# Altium PCB Temp_meter_16CH.PcbDoc (part 2 of 4) (continued)
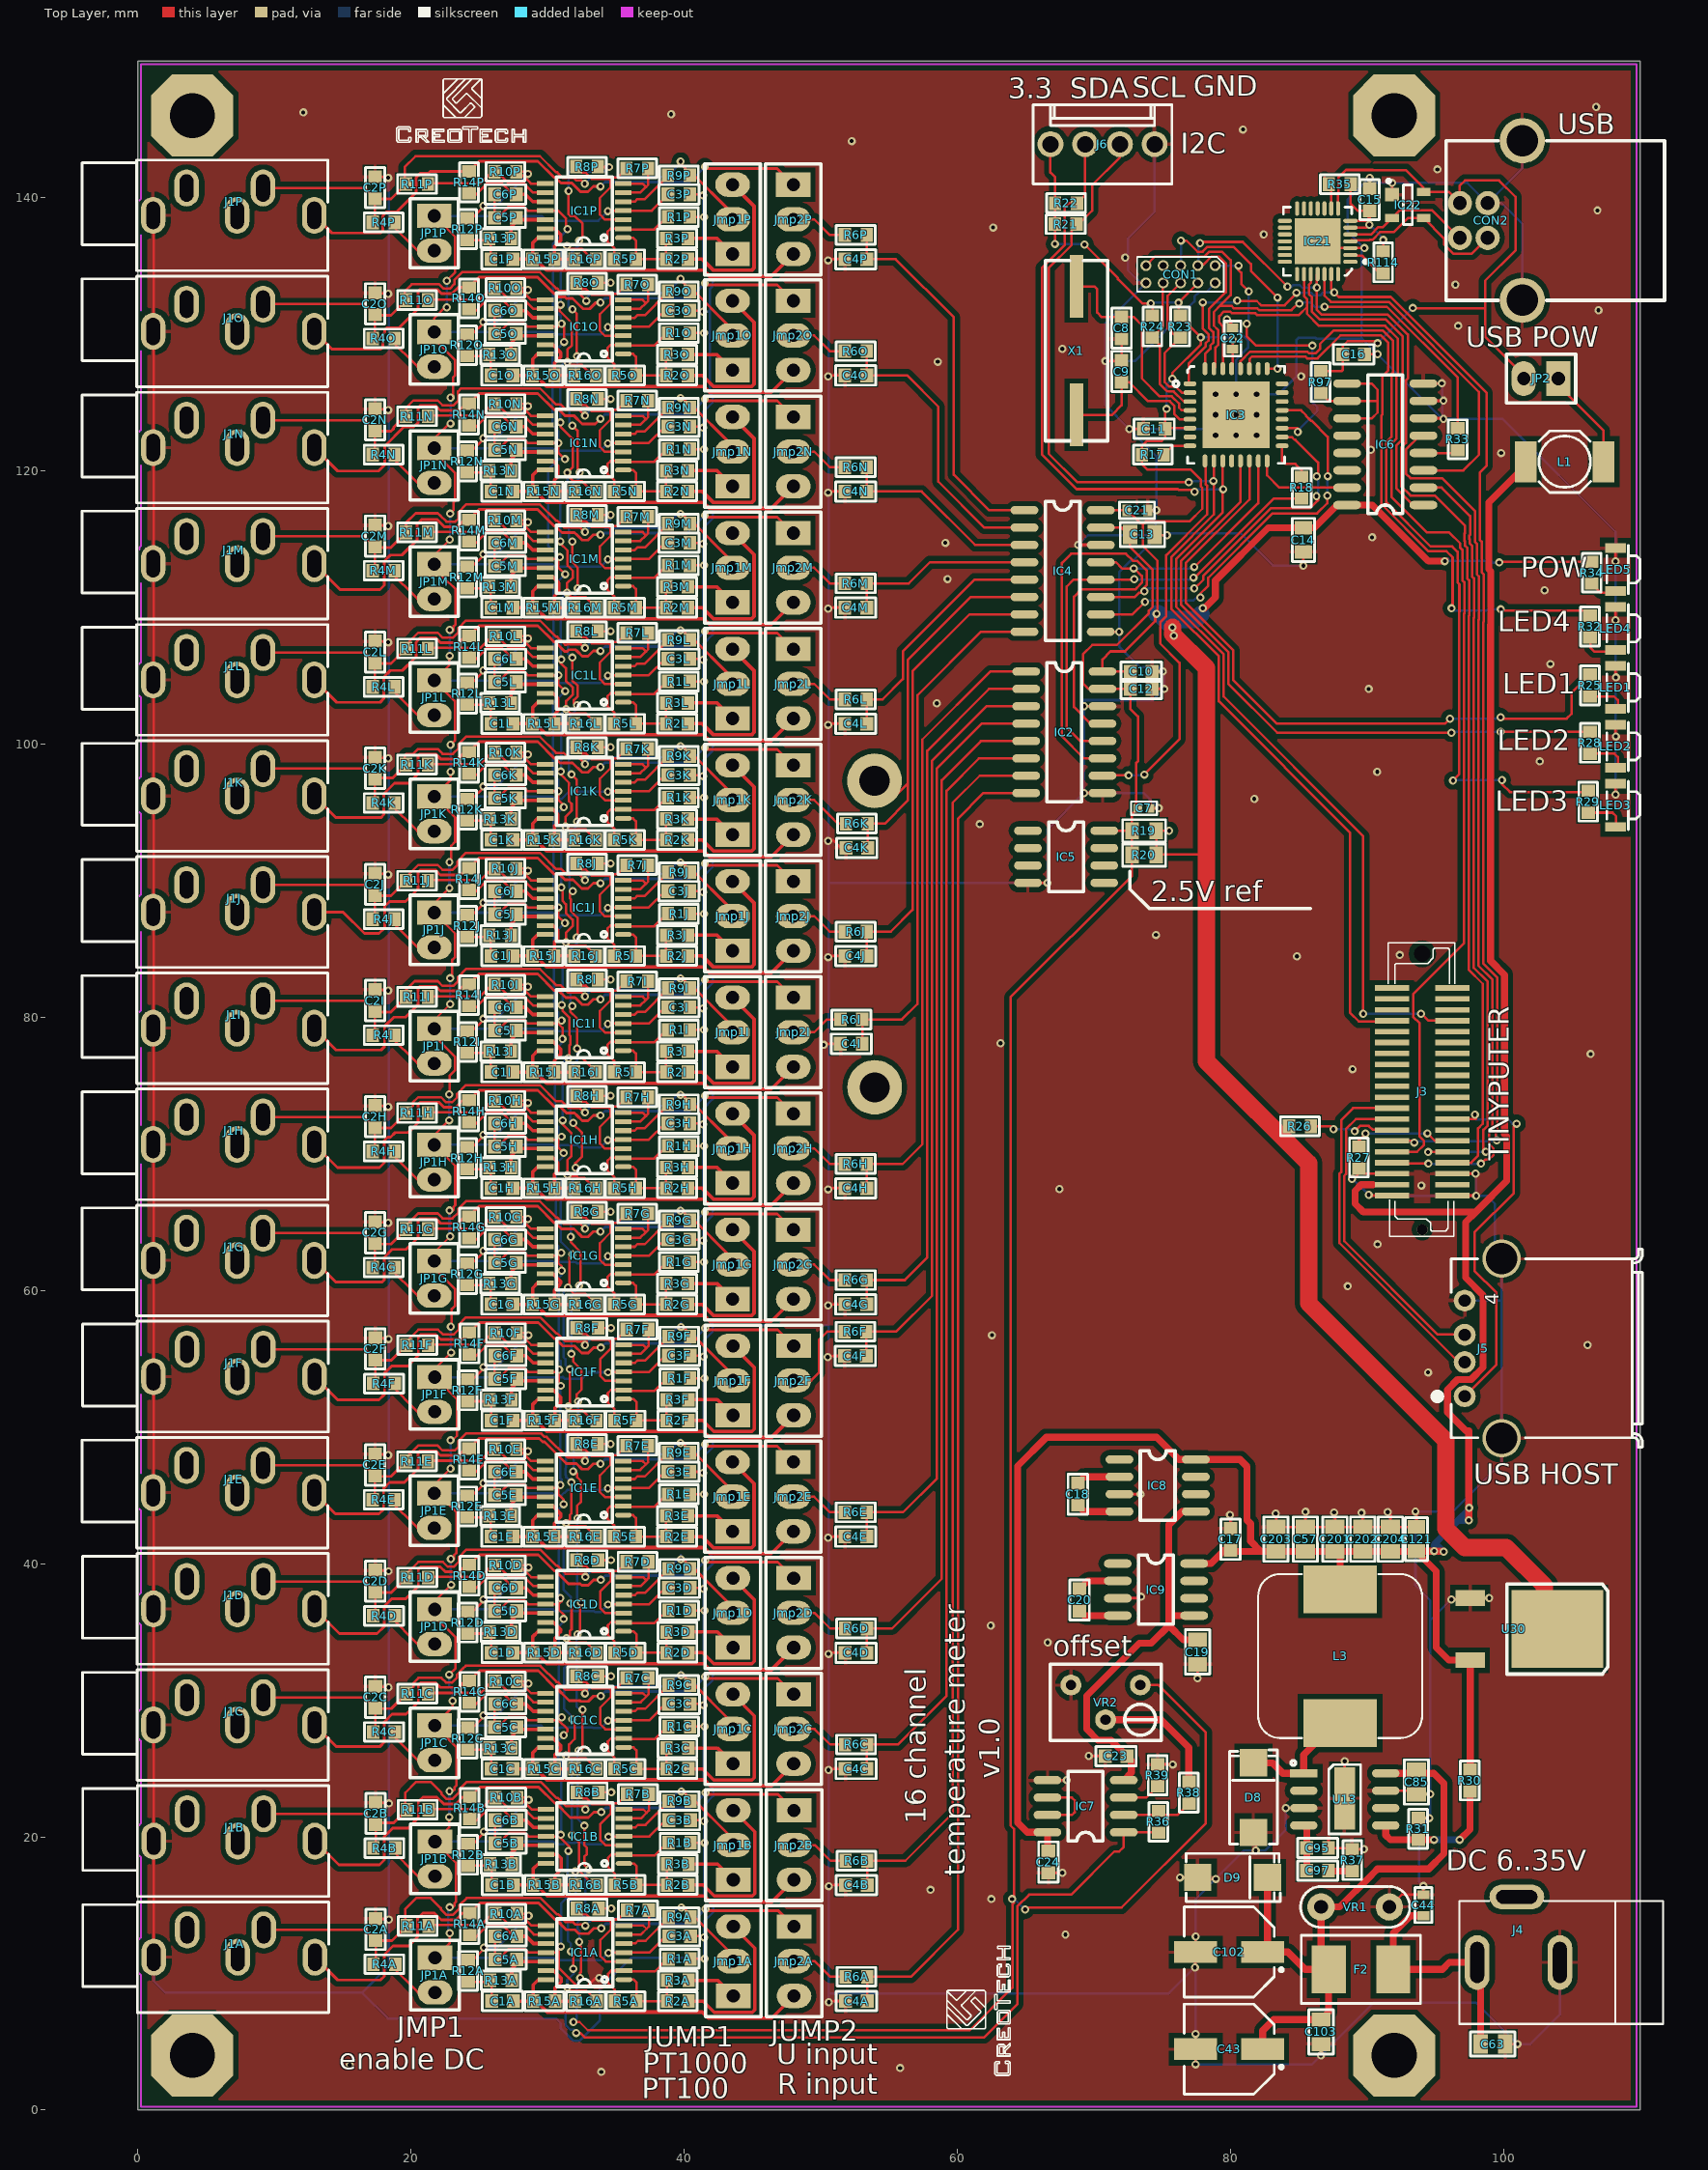
[diagram p0: Top Layer view]
## Nets (pads, with @x,y where several pads share a name; then routed paths per layer and width w, separated by ;. In a path a pad name is that pad's centre, name@x,y a point inside that pad or via, vN(x,y) a via of type N, cw(c..) or ccw(c..) an arc to the next point about the centre after c; other vN are vias at no path point) (continued)
  Top Layer w0.178: J1P.1@1.13,138.692 1.18,138.642 1.18,121.692 1.18,79.192 1.18,62.192 1.18,45.192 J1B.1@1.18,19.692 1.18,13.001 ; J1A.1@1.18,11.192 1.18,13.001 ; 1.18,14.22 1.18,13.001 ; C2E.2@17.374,47.985 v1@18.299,47.985 ; C2G.2@17.374,64.985 v1@18.299,64.985 ; C2H.2@17.374,73.485 v1@18.299,73.485 ; C2I.2@17.374,81.985 v1@18.299,81.985 ; C2J.2@17.374,90.485 v1@18.299,90.485 ; C2K.2@17.374,98.985 v1@18.299,98.985 ; C2L.2@17.374,107.485 v1@18.299,107.485 ; C2M.2@17.374,115.985 v1@18.299,115.985 ; C2N.2@17.374,124.485 v1@18.299,124.485 ; C2O.2@17.374,132.985 v1@18.299,132.985 ; C2P.2@17.374,141.485 v1@18.299,141.485 ; C2C.2@17.399,30.985 v1@18.324,30.985 ; C2D.2@17.399,39.485 v1@18.324,39.485 ; C2F.2@17.399,56.485 v1@18.324,56.485 ; C2A.2@17.424,13.985 v1@18.349,13.985 ; C2B.2@17.424,22.485 v1@18.349,22.485 ; C6E.2@26.126,46.724 26.118,46.716 C5E.1@26.118,45.026 26.365,45.026 27.132,45.793 28.303,45.793 28.562,45.534 IC1E.11@29.839,45.534 30.79,45.534 30.79,45.085 31.177,44.698 v1(31.177,44.352) ; C6G.2@26.126,63.724 26.118,63.716 C5G.1@26.118,62.026 26.365,62.026 27.132,62.793 28.303,62.793 28.562,62.534 IC1G.11@29.839,62.534 30.79,62.534 30.79,62.01 v1@31.052,61.748 ; C6H.2@26.126,72.224 26.118,72.216 C5H.1@26.118,70.526 26.365,70.526 27.132,71.293 28.303,71.293 28.562,71.034 IC1H.11@29.839,71.034 30.79,71.034 30.79,70.485 v1@31.199,70.076 ; C6I.2@26.126,80.724 26.118,80.716 C5I.1@26.118,79.026 26.365,79.026 27.132,79.793 28.303,79.793 28.562,79.534 IC1I.11@29.839,79.534 30.79,79.534 ; C6J.2@26.126,89.224 26.118,89.216 C5J.1@26.118,87.526 26.365,87.526 27.132,88.293 28.303,88.293 28.562,88.034 IC1J.11@29.839,88.034 v1(30.79,88.034) 30.79,87.385 v1(31.275,86.9) ; C6K.2@26.126,97.724 26.118,97.716 C5K.1@26.118,96.026 26.365,96.026 27.132,96.793 28.303,96.793 28.562,96.534 IC1K.11@29.839,96.534 v1(30.79,96.534) 30.79,95.91 v1@31.202,95.498 ; C6L.2@26.126,106.224 26.118,106.216 C5L.1@26.118,104.526 26.365,104.526 27.132,105.293 28.303,105.293 28.562,105.034 IC1L.11@29.839,105.034 v1(30.79,105.034) 30.79,104.385 v1(31.3,103.875) ; C6M.2@26.126,114.724 26.118,114.716 C5M.1@26.118,113.026 26.365,113.026 27.132,113.793 28.303,113.793 28.562,113.534 IC1M.11@29.839,113.534 30.79,113.534 30.79,112.935 v1(31.3,112.425) ; C6N.2@26.126,123.224 26.118,123.216 C5N.1@26.118,121.526 26.365,121.526 27.132,122.293 28.303,122.293 28.562,122.034 IC1N.11@29.839,122.034 v1(30.79,122.034) 30.79,121.335 v1(31.275,120.85) ; C6O.2@26.126,131.724 26.118,131.716 C5O.1@26.118,130.026 26.365,130.026 27.132,130.793 28.303,130.793 28.562,130.534 IC1O.11@29.839,130.534 30.79,130.534 ; C6P.2@26.126,140.224 26.118,140.216 C5P.1@26.118,138.526 26.365,138.526 27.132,139.293 28.303,139.293 28.562,139.034 IC1P.11@29.839,139.034 30.79,139.034 31.375,138.449 v1@31.375,137.775 ; C6C.2@26.151,29.724 26.143,29.716 C5C.1@26.143,28.026 26.39,28.026 27.157,28.793 28.328,28.793 28.587,28.534 IC1C.11@29.864,28.534 30.815,28.534 ; C6D.2@26.151,38.224 26.143,38.216 C5D.1@26.143,36.526 26.39,36.526 27.157,37.293 28.328,37.293 28.587,37.034 IC1D.11@29.864,37.034 30.815,37.034 ; C6F.2@26.151,55.224 26.143,55.216 C5F.1@26.143,53.526 26.39,53.526 27.157,54.293 28.328,54.293 28.587,54.034 IC1F.11@29.864,54.034 30.815,54.034 v1@30.815,53.175 ; C6A.2@26.176,12.724 26.168,12.716 C5A.1@26.168,11.026 26.415,11.026 27.182,11.793 28.353,11.793 28.612,11.534 IC1A.11@29.889,11.534 30.84,11.534 ; C6B.2@26.176,21.224 26.168,21.216 C5B.1@26.168,19.526 26.415,19.526 27.182,20.293 28.353,20.293 28.612,20.034 IC1B.11@29.889,20.034 v1@30.84,20.034 ; 30.799,79.526 31.102,79.223 v1(31.102,78.404) ; 30.825,28.525 31.475,27.874 31.475,27.751 v1@31.202,27.478 ; v1@30.84,11.84 30.84,11.534 ; v1@30.875,20 v1@31.625,19.249 ; v1@31.033,37.252 30.815,37.034 ; v1(31.225,129.425) v1@31.225,130.558 ; v1@31.227,36.223 30.815,36.635 30.815,37.034 ; v1@33.522,9.675 32.956,9.109 32.118,9.109 30.84,10.386 30.84,11.534 ; R1E.1@40.426,45.073 v1(41.472,45.073) ; C3E.2@40.426,46.724 v1@41.404,46.724 ; R1G.1@40.426,62.073 v1(41.472,62.073) ; C3G.2@40.426,63.724 v1@41.404,63.724 ; R1H.1@40.426,70.573 v1(41.472,70.573) ; C3H.2@40.426,72.224 v1@41.404,72.224 ; R1I.1@40.426,79.073 v1(41.472,79.073) ; C3I.2@40.426,80.724 v1@41.404,80.724 ; R1J.1@40.426,87.573 v1(41.472,87.573) ; C3J.2@40.426,89.224 v1@41.404,89.224 ; R1K.1@40.426,96.073 v1(41.472,96.073) ; C3K.2@40.426,97.724 v1@41.404,97.724 ; R1L.1@40.426,104.573 v1(41.472,104.573) ; C3L.2@40.426,106.224 v1@41.404,106.224 ; R1M.1@40.426,113.073 v1(41.472,113.073) ; C3M.2@40.426,114.724 v1@41.404,114.724 ; R1N.1@40.426,121.573 v1(41.472,121.573) ; C3N.2@40.426,123.224 v1@41.404,123.224 ; R1O.1@40.426,130.073 v1(41.472,130.073) ; C3O.2@40.426,131.724 v1@41.404,131.724 ; R1P.1@40.426,138.573 v1(41.472,138.573) ; C3P.2@40.426,140.224 v1@41.404,140.224 ; R1C.1@40.451,28.073 v1(41.497,28.073) ; C3C.2@40.451,29.724 v1@41.429,29.724 ; R1D.1@40.451,36.573 v1(41.497,36.573) ; C3D.2@40.451,38.224 v1@41.429,38.224 ; R1F.1@40.451,53.573 v1(41.497,53.573) ; C3F.2@40.451,55.224 v1@41.429,55.224 ; R1A.1@40.476,11.073 v1(41.522,11.073) ; C3A.2@40.476,12.724 v1@41.454,12.724 ; R1B.1@40.476,19.573 v1(41.522,19.573) ; C3B.2@40.476,21.224 v1@41.454,21.224 ; v1(50.223,77.973) 50.303,78.053 C4I.1@51.447,78.053 ; v1@50.603,55.203 C4F.1@51.747,55.203 ; v1@50.628,41.978 C4E.1@51.772,41.978 ; v1@50.628,58.978 C4G.1@51.772,58.978 ; v1@50.628,67.478 C4H.1@51.772,67.478 ; v1@50.628,84.478 C4J.1@51.772,84.478 ; v1@50.628,92.978 50.9,92.978 51.488,92.39 C4K.1@51.854,92.39 ; v1@50.628,101.478 C4L.1@51.772,101.478 ; v1@50.628,109.978 C4M.1@51.772,109.978 ; v1@50.628,118.478 C4N.1@51.772,118.478 ; v1@50.628,126.978 C4O.1@51.772,126.978 ; v1@50.628,135.478 C4P.1@51.772,135.478 ; v1@50.653,24.978 C4C.1@51.797,24.978 ; v1@50.653,33.478 C4D.1@51.797,33.478 ; v1@50.678,7.978 C4A.1@51.822,7.978 ; v1@50.678,16.478 C4B.1@51.822,16.478 ; v1@58.5,127.975 v1(58.575,127.975) ; IC5.4@65.176,89.836 v1(66.611,89.836) ; IC7.5@66.608,24.148 68.023,24.148 v1(68.025,24.15) ; C24.2@66.675,17.361 67.686,17.361 v1(67.7,17.375) ; v1(68.859,114.566) IC4.14@70.512,114.566 ; v1(69.28,96.405) IC2.9@70.639,96.405 ; v1(69.303,102.755) IC2.14@70.639,102.755 ; v1(69.625,25.925) 69.642,25.908 C23.2@70.828,25.908 ; IC4.9@70.512,108.216 v1@71.834,108.216 ; v1(70.85,128.025) 71.994,128.025 C9.1@72.036,128.066 C8.1@72.036,129.641 ; IC9.3@71.755,37.465 73.34,37.465 v1(73.45,37.575) ; IC8.3@71.882,45.085 73.415,45.085 v1(73.425,45.075) ; v1@72.613,123.063 C11.2@73.622,123.063 ; C21.2@73.954,117.106 v1(74.579,117.106) ; C7.2@74.135,95.297 v1@74.746,95.297 ; C12.2@74.275,104.025 v1(75.15,104.025) ; C10.2@74.275,105.295 v1@75.044,105.295 ; C13.2@74.46,115.328 74.553,115.328 74.575,115.35 74.825,115.35 74.9,115.275 v1(75.35,115.275) ; R39.2@74.676,25.311 75.764,25.311 v1(75.775,25.3) ; v1(76.305,17.03) D9.A@77.614,17.03 77.718,16.926 v1(78.929,16.926) ; v1(77.404,10.451) 77.404,11.513 C102.2@77.46,11.569 v1(77.46,12.71) ; v1(77.454,3.35) 77.46,3.356 C43.2@77.46,4.457 v1@77.46,5.569 ; C19.2@77.597,32.628 77.597,31.603 v1(77.6,31.6) ; v1(79.754,131.081) 80.164,130.672 C22.2@80.164,130.454 ; v1(79.975,43.575) 80.01,43.54 C17.2@80.01,42.583 ; D8.A@81.688,20.322 81.854,20.156 v1(81.854,19.001) ; v1(83.325,43.675) 83.339,43.661 C203.2@83.339,42.695 83.35,42.684 87.657,42.684 91.721,42.684 C121.1@93.626,42.684 93.626,43.749 v1(93.55,43.825) ; v1(84.054,22.101) 84.063,22.11 U13.3@85.371,22.11 ; v1(85.344,113.056) C14.1@85.344,114.046 ; C57.2@85.498,42.695 v1(85.498,43.798) ; IC21.29@86.387,136.791 86.887,136.291 IC21.3@88.787,136.291 v1(89.809,136.291) ; v1@86.641,4.012 C103.2@86.641,4.827 ; 87.187,19.712 C95.1@87.187,19.189 R37.1@88.838,19.189 ; v1(87.6,43.75) 87.657,43.693 C201.2@87.657,42.695 ; U13.0@88.368,20.893 U13.0@88.368,22.821 ; v1(88.368,25.543) U13.0@88.368,22.821 ; v1@88.85,76.2 v1(88.95,76.2) ; v1(88.904,68.153) 88.904,68.146 88.95,68.1 89.408,68.558 R27.2@89.408,68.923 89.79,68.541 J3.3@91.848,68.541 ; R37.1@88.927,19.1 v1(89.775,19.1) ; U13.0@88.927,23.38 U13.0@88.368,22.821 ; v1(89.6,43.725) 89.689,43.636 C202.2@89.689,42.695 ; C16.2@89.827,128.524 v1(90.776,128.524) ; v1@90.184,66.941 J3.1@91.848,66.941 ; C15.2@90.197,140.639 v1(90.197,141.447) ; U13.7@91.371,23.38 93.361,23.38 C85.2@93.626,23.115 94.619,23.115 v1(94.63,23.126) ; v1(91.525,43.775) 91.721,43.579 C204.2@91.721,42.695 ; VR1.2@91.641,14.871 92.543,15.773 C44.1@94.134,15.773 94.134,16.397 v1(94.13,16.401) ; IC22.1@91.841,140.208 v1(91.841,141.066) ; R31.2@93.753,21.386 v1@94.544,21.386 ; IC6.6@94.134,123.837 v1@95.563,123.837 ; IC6.7@94.134,125.107 v1@95.582,125.107 ; IC6.8@94.134,126.377 95.452,126.377 v1(95.475,126.4) ; v1(96.18,37.377) 97.46,37.375 U30.1@97.563,37.477 v1(98.955,37.477) ; J3.40@96.248,66.941 v1@97.984,66.941 ; J3.38@96.248,68.541 97.941,68.541 v1(97.95,68.55) ; C63.2@100.114,4.838 v1(101.012,4.838) ; v1(108.2,96.3) 108.208,96.308 LED3.K@108.208,97.079 ; v1@108.208,100.567 LED2.K@108.208,101.397 ; v1@108.208,104.892 LED1.K@108.208,105.715 ; v1(108.208,109.058) LED4.K@108.208,110.033 ; v1@108.208,113.383 LED5.K@108.208,114.351
  Bottom Layer w0.178: J1A.1@1.18,11.192 1.18,9.445 2.025,8.6 16.425,8.6 ; 18.34,140.642 v1(18.34,141.443) ; 18.39,140.592 18.39,124.443 v1(18.39,22.443) v1(18.39,13.943) 18.39,10.565 16.425,8.6 ; 30.742,97.413 30.41,97.745 30.41,102.985 v1(31.3,103.875) ; v1@30.79,62.753 30.79,63.263 30.619,63.434 30.619,69.244 v1@31.302,69.927 ; v1@30.79,71.253 30.79,71.967 30.542,72.215 30.542,77.592 v1@31.228,78.278 ; v1@30.79,79.754 30.79,80.358 30.483,80.665 30.483,86.108 v1(31.275,86.9) ; v1(30.79,88.034) 30.79,88.933 30.458,89.265 30.458,94.636 v1(31.202,95.38) ; v1(30.79,96.534) 30.79,97.383 ; v1(30.79,105.034) 30.79,105.608 30.458,105.94 30.458,111.583 v1(31.3,112.425) ; v1(30.79,122.034) 30.79,122.891 30.385,123.296 30.385,128.585 v1(31.225,129.425) ; 30.81,42.714 30.81,43.985 v1@31.177,44.352 ; v1@30.815,28.749 30.815,35.365 v1@31.314,35.864 ; v1@30.815,37.477 30.815,42.708 ; v1(30.9,113.675) 30.05,114.525 30.05,120.075 30.825,120.85 v1(31.275,120.85) ; v1@30.958,130.756 30.958,131.349 30.392,131.915 30.392,136.592 v1(31.475,137.675) ; v1@30.969,54.321 30.969,54.826 30.828,54.968 30.828,60.928 31.052,61.152 ; v1(30.975,53.015) 30.954,52.995 30.954,46.243 31.027,46.171 v1@31.027,45.752 ; v1@31.025,11.976 31.025,15.153 31.625,15.753 31.625,17.099 31.483,17.24 v1@31.483,18.883 ; v1@31.025,20.151 31.025,25.502 30.806,25.721 30.806,27.055 v1(31.202,27.451) ; v1@34.075,9.675 34.362,9.387 ; v1(41.404,131.648) 41.861,131.648 ; v1(41.404,140.148) 41.404,134.651 42.089,133.966 42.089,133.496 41.884,133.291 41.884,130.175 ; 41.782,130.073 41.884,130.175 ; 50.538,57.466 42.114,57.466 ; v1(50.598,7.898) 50.598,8.55 ; v1@50.598,135.348 50.598,84.398 50.598,41.898 50.598,33.398 v1(50.598,16.398) 50.598,8.55 ; 50.661,89.836 v1(66.611,89.836) 66.611,93.736 v1(69.28,96.405) ; v1(68.859,114.566) 69.568,115.275 74.5,115.275 ; J6.1@74.449,143.903 74.449,138.949 72.5,137 72.5,134.675 73.432,133.743 CON1.10@73.814,133.743 70.85,130.78 v1(70.85,128.025) ; v1@74.5,117.027 74.5,115.275 ; v1(74.579,117.106) 74.579,121.071 v1(72.6,123.05) ; v1(74.754,95.305) 73.653,96.405 v1(69.28,96.405) ; v1@75.054,103.929 74.33,103.205 69.28,103.205 v1(69.28,96.405) ; v1(75.054,105.305) 74.73,105.629 73.354,105.629 71.85,107.133 v1(71.85,108.2) 71.85,112.576 72.69,113.417 72.892,113.417 74.75,115.275 ; v1(75.15,104.025) v1@75.15,105.209 ; v1(75.35,115.275) 74.75,115.275 ; v1@75.475,115.4 80.775,115.4 83.119,113.056 v1(85.344,113.056) ; v1@77.329,3.225 v1(77.454,3.35) 85.979,3.35 v1(86.629,4) 90.504,7.875 97.975,7.875 v1(101.012,4.838) 101.963,4.838 104.121,6.996 J4.1@104.121,10.807 ; v1(77.404,10.451) 75.504,8.55 50.598,8.55 ; v1(77.454,5.575) v1@77.454,10.401 ; v1(77.46,12.71) 77.46,15.457 v1(78.929,16.926) 81.004,19.001 v1(81.854,19.001) 82.551,19.001 84.054,20.504 v1(84.054,22.101) v1@84.228,22.275 ; CON1.2@78.894,133.743 78.227,133.076 77.701,133.076 77.375,132.75 77.375,132.4 73,128.025 v1(70.85,128.025) ; v2(78.918,122.591) 78.459,123.05 v1(72.6,123.05) ; v1(79.754,131.081) 81.3,129.535 81.3,129.331 81.3,129 80.418,128.118 v2(80.418,125.591) ; v2(81.918,125.591) 83.516,125.591 84.85,126.925 84.85,129.575 84.992,129.717 86.235,129.717 86.276,129.675 89.625,129.675 ; v1(88.904,68.153) 88.972,68.153 v1(90.125,67) 90.2,66.925 v1(98,66.925) ; v1@94.149,16.401 v1(94.13,16.401) 93.825,16.705 93.825,20.646 v1(94.555,21.376) 94.63,21.451 v1(94.63,23.126) ; v1@94.606,23.15 v1(94.63,23.126) ; v1(95.475,126.4) 95.5,126.375 95.5,123.8 v1(90.776,128.524) 89.625,129.675 ; v1(95.6,123.8) 99.925,123.8 108.2,115.525 v1(108.2,113.375) v1(108.2,96.3) ; v1(96.18,37.377) 94.63,35.827 ; J5.4@97.155,59.253 99.787,59.253 99.865,59.175 ; v1(97.95,68.55) 98,68.5 v1(98,66.925) ; v1@98.807,37.625 v1(98.955,37.477) ; CON2.0@101.373,132.473 101.373,138.077 99.865,139.585 CON2.4@98.833,139.585 ; CON2.0@101.373,144.157 101.373,142.125 CON2.4@98.833,139.585 ; 16.425,8.6 18.325,6.7 30.625,6.7 30.979,6.346 30.979,5.971 31.867,5.084 32.359,5.084 33.827,6.552 33.827,8.852 34.362,9.387 ; 34.362,9.387 36.116,11.141 41.454,11.141 v1(41.454,12.648) 41.454,13.81 42.139,14.496 42.139,14.966 41.454,15.651 v1(41.454,21.148) 41.454,22.31 42.139,22.996 42.139,23.466 41.429,24.176 v1(41.429,29.648) 41.429,30.81 42.114,31.496 42.114,31.966 41.429,32.651 41.429,39.31 42.114,39.996 42.114,40.466 41.429,41.151 41.429,46.648 41.429,47.835 42.089,48.496 42.089,48.966 41.429,49.626 v1(41.429,55.148) 41.429,56.31 42.114,56.996 42.114,57.466 ; 41.884,130.175 41.884,125.671 42.089,125.466 42.089,124.996 41.404,124.31 v1(41.404,123.148) 41.404,117.651 42.089,116.966 42.089,116.496 41.404,115.81 v1(41.404,114.648) 41.404,109.151 42.089,108.466 42.089,107.996 41.404,107.31 v1(41.404,106.148) 41.404,100.651 42.089,99.966 42.089,99.496 41.404,98.81 v1(41.404,97.648) 41.404,92.151 42.089,91.466 42.089,90.996 41.404,90.31 v1(41.404,89.148) 41.404,83.651 42.089,82.966 42.089,82.496 41.404,81.81 41.404,75.151 42.089,74.466 42.089,73.996 41.404,73.31 v1(41.404,72.148) 41.404,66.651 42.089,65.966 42.089,65.496 41.404,64.81 v1(41.404,63.648) 41.404,58.176 42.114,57.466 ; v1(70.85,128.025) 70.85,124.8 v1(72.6,123.05) ; 74.5,115.275 74.75,115.275 ; 89.625,129.675 89.625,136.107 v1(89.809,136.291) 88.6,137.5 88.6,139.85 v1(90.197,141.447) 90.578,141.066 v1(91.841,141.066) 97.352,141.066 CON2.4@98.833,139.585 ; v1(94.63,23.126) 94.63,35.827 ; 94.63,35.827 94.63,37.32 93.55,38.4 v1(93.55,43.825) 96.299,43.825 99.865,47.391 J5.5@99.865,49.183 99.865,59.175 ; v1(98,66.925) 98.775,66.925 99.363,66.337 99.363,62.825 J5.5@99.865,62.323 99.865,59.175
  other v1: 33.95,2.8 55.825,3.075 15.525,3.3 33.8,9.675 30.976,11.976 67.925,12.85 62.5,15.45 58.05,16.125 31.527,18.976 30.977,20.151 56.75,22.65 50.573,24.898 31.049,28.749 18.365,30.943 50.573,33.398 66.625,34.225 62.45,35.475 31.177,35.952 30.952,37.477 41.429,38.148 18.365,39.443 50.548,41.898 30.952,45.752 41.404,46.648 18.34,47.943 94.475,54 30.852,54.203 50.523,55.123 106.15,56 18.365,56.443 62.55,56.725 50.548,58.898 88.6,60.3 31.052,61.453 31.002,62.753 90.775,63.375 18.34,64.943 50.548,67.398 67.475,67.425 93.975,67.675 31.177,70.053 31.027,71.253 18.34,73.443 106.375,77.3 63.175,78.1 31.027,79.754 41.404,80.648 18.34,81.943 50.548,84.398 84.875,84.45 92.4,84.55 74.55,86.025 18.34,90.443 50.548,92.898 61.65,94.125 81.75,95.975 90.75,97.95 102.65,98.725 18.34,98.943 108.225,100.55 50.548,101.398 58.5,102.975 90.125,104.025 108.225,104.875 103.425,105.85 18.34,107.443 50.548,109.898 103,111.25 59.3,112.075 59.125,114.725 90.375,115.125 18.34,115.943 50.548,118.398 99.825,121.3 90.275,121.525 18.34,124.443 95.6,125.125 50.548,126.898 85.175,126.9 67.7,128.925 96.675,130.6 31.027,130.756 106.95,131.75 18.34,132.943 96.475,133.625 50.548,135.398 72.3,135.6 82.45,137.3 62.625,137.8 106.875,139.05 95.15,142.05 52.275,144.125 80.925,144.975 39.05,146.1 12.125,146.225 106.775,146.625
  other v2: 80.418,122.591 81.918,122.591 78.918,124.091 80.418,124.091 81.918,124.091 78.918,125.591
I2C_SCL1: IC3.10 J3.17 J6.2 R21.1 | length 88.3
  Top Layer w0.178: J6.2@71.909,143.903 71.909,142.934 69.875,140.9 69.875,139.025 68.365,137.515 68.365,136.51 66.7,134.846 66.7,121.25 68.8,119.15 v1(76.95,119.15) ; IC3.10@78.793,120.716 78.793,116.801 75.667,113.675 75.667,109.896 79.152,106.41 79.152,103.123 88.775,93.5 88.775,80.308 89.4,79.683 91.79,79.683 J3.17@91.848,79.741
  Bottom Layer w0.178: v1(76.95,119.15) 77.05,119.25 v1(78.75,119.25)
I2C_SDA1: IC3.11 J3.24 J6.3 R22.1 | length 93.2
  Top Layer w0.178: R22.1@68.75,139.564 R22.1@68.772,139.585 ; J6.3@69.369,143.903 69.369,140.182 R22.1@68.772,139.585 ; v1(77.379,118.456) 77.251,118.583 76.225,118.583 76.158,118.65 68.75,118.65 66.2,121.2 66.2,134.849 67.888,136.537 67.888,139.3 68.174,139.585 R22.1@68.772,139.585 ; IC3.11@79.443,120.716 79.443,116.948 76.022,113.528 76.022,110.043 79.507,106.558 79.507,103.468 89.725,93.25 v1(89.725,80.25) ; v1(93.955,80.254) 93.929,80.254 93.925,80.25 94,80.25 94.509,79.741 J3.24@96.248,79.741
  Bottom Layer w0.178: v1(77.379,118.456) 77.548,118.625 79.45,118.625 v1(79.475,118.65) ; v1(89.725,80.25) 93.951,80.25 v1(93.955,80.254)
I2S_RX_BCK: J3.14
I2S_RX_DATA: J3.16
I2S_RX_WS: J3.15
I2S_TX_BCK: J3.27
I2S_TX_DATA: J3.25
I2S_TX_WS: J3.26
IO1: J3.18
IO2: J3.23
IO3: J3.19
IO4: J3.22
IO5: J3.20
IO6: J3.21
LED1: IC3.14 R25.1 | length 49.3
  Top Layer w0.178: IC3.14@81.393,120.716 81.393,117.893 76.733,113.233 76.733,110.338 80.219,106.852 80.219,104.659 83.403,101.475 95.7,101.475 v1(96.075,101.85) ; v1(99.78,101.955) 99.885,101.85 104.625,101.85 104.975,102.2 104.975,103.729 R25.1@106.326,105.079
  Bottom Layer w0.178: v1(96.075,101.85) 99.1,101.85 99.105,101.855 99.455,101.855 99.555,101.955 v1(99.78,101.955)
LED2: IC3.13 R28.1 | length 47.5
  Top Layer w0.178: IC3.13@80.743,120.716 80.743,117.746 76.378,113.381 76.378,110.19 79.863,106.705 79.863,104.384 83.422,100.825 v1(96.175,100.825) ; v1(99.78,100.88) 99.788,100.888 R28.1@106.326,100.888
  Bottom Layer w0.178: v1(96.175,100.825) 96.225,100.875 99.1,100.875 99.105,100.88 v1(99.78,100.88)
LED3: IC3.28 R29.1 | length 59.2
  Top Layer w0.178: IC3.28@80.743,127.466 80.743,128.021 81.428,128.706 85.643,128.706 85.765,128.583 86.235,128.583 86.567,128.915 86.567,129.27 87.551,130.254 91.177,130.254 91.919,129.511 91.919,127.191 91.784,127.056 91.784,122.479 91.429,122.123 91.429,117.686 94.661,114.453 96.237,114.453 96.627,114.063 96.627,111.823 96.767,111.683 96.767,109.69 96.742,109.665 96.742,98.827 96.742,97.767 v1(96.3,97.325) ; v1@99.88,97.067 100.472,96.475 106.103,96.475 R29.1@106.199,96.57
  Bottom Layer w0.178: v1(96.3,97.325) 96.35,97.325 96.38,97.355 v1(99.88,97.355)
LED4: IC3.27 R32.1 | length 44.9
  Top Layer w0.178: IC3.27@81.393,127.466 81.393,128.168 81.575,128.35 85.496,128.35 85.618,128.228 86.382,128.228 88.052,129.898 91.03,129.898 91.542,129.386 91.542,127.316 91.131,126.905 91.131,124.103 91.073,124.045 91.073,117.538 94.514,114.097 95.831,114.097 96.271,113.657 96.271,109.996 v1(96.2,109.925) ; v1(99.805,109.855) 99.885,109.775 105.948,109.775 R32.1@106.326,109.397
  Bottom Layer w0.178: v1(96.2,109.925) 96.35,109.775 98.775,109.775 98.855,109.855 v1(99.805,109.855)
MISO: IC3.17 R18.2 | length 3.3
  Top Layer w0.178: IC3.17@83.793,121.816 83.793,120.732 84.025,120.5 84.75,120.5 85.217,120.033 R18.2@85.217,119.557
MOSI: IC2.11 IC3.18 IC4.11 | length 50.8
  Top Layer w0.178: IC4.11@70.512,110.756 73.011,110.756 73.329,111.075 73.7,111.075 73.704,111.079 v1(73.704,111.18) ; IC2.11@70.639,98.945 69.28,98.945 67.675,100.55 67.675,113.25 68.35,113.925 72.353,113.925 72.861,113.417 73.16,113.417 73.897,112.679 73.897,111.643 v1@73.515,111.26 ; v1(77.354,111.38) 77.37,111.38 77.375,111.375 78.025,112.025 78.025,112.314 82.951,117.24 85.827,117.24 86.425,117.838 86.425,118.125 86.419,118.131 v1(86.304,118.131) ; IC3.18@83.793,122.466 84.493,122.466 84.694,122.264 84.761,122.264 86.425,120.6 86.425,119.575 86.419,119.581 v1(86.329,119.581)
  Bottom Layer w0.178: v1(73.704,111.18) 73.704,111.079 74,111.375 77.375,111.375 77.37,111.38 v1(77.354,111.38) ; v1(86.304,118.131) 86.419,118.131 86.425,118.125 86.425,119.575 86.419,119.581 v1(86.329,119.581)
NetC1A_1: C1A.1 R12A.2 R13A.1 | length 3.2
  Top Layer w0.178: R12A.2@24.182,9.384 25.669,9.384 R13A.1@25.787,9.502 25.914,9.375 C1A.1@25.914,7.978
NetC1A_2: C1A.2 IC1A.14 Jmp2A.3 R15A.2 | length 24
  Top Layer w0.254: C1A.2@27.514,7.978 R15A.2@28.962,7.978 ; IC1A.14@29.889,9.553 29.342,9.553 28.962,9.173 R15A.2@28.962,7.978 ; Jmp2A.3@48.05,8.359 46.424,6.734 41.775,6.734 41.335,7.173 29.985,7.173 29.181,7.978 R15A.2@28.962,7.978
NetC1B_1: C1B.1 R12B.2 R13B.1 | length 3.2
  Top Layer w0.178: R12B.2@24.182,17.884 25.669,17.884 R13B.1@25.787,18.002 25.914,17.875 C1B.1@25.914,16.478
NetC1B_2: C1B.2 IC1B.14 Jmp2B.3 R15B.2 | length 24
  Top Layer w0.254: C1B.2@27.514,16.478 R15B.2@28.962,16.478 ; IC1B.14@29.889,18.053 29.342,18.053 28.962,17.673 R15B.2@28.962,16.478 ; Jmp2B.3@48.05,16.859 46.424,15.234 41.925,15.234 41.485,15.673 29.985,15.673 29.181,16.478 R15B.2@28.962,16.478
NetC1C_1: C1C.1 R12C.2 R13C.1 | length 3.2
  Top Layer w0.178: R12C.2@24.157,26.384 25.644,26.384 R13C.1@25.762,26.502 25.889,26.375 C1C.1@25.889,24.978
NetC1C_2: C1C.2 IC1C.14 Jmp2C.3 R15C.2 | length 24
  Top Layer w0.254: C1C.2@27.489,24.978 R15C.2@28.937,24.978 ; IC1C.14@29.864,26.553 29.317,26.553 28.937,26.173 R15C.2@28.937,24.978 ; Jmp2C.3@48.025,25.359 46.399,23.734 41.925,23.734 41.485,24.173 29.96,24.173 29.156,24.978 R15C.2@28.937,24.978
NetC1D_1: C1D.1 R12D.2 R13D.1 | length 3.2
  Top Layer w0.178: R12D.2@24.157,34.884 25.644,34.884 R13D.1@25.762,35.002 25.889,34.875 C1D.1@25.889,33.478
NetC1D_2: C1D.2 IC1D.14 Jmp2D.3 R15D.2 | length 24
  Top Layer w0.254: C1D.2@27.489,33.478 R15D.2@28.937,33.478 ; IC1D.14@29.864,35.053 29.317,35.053 28.937,34.673 R15D.2@28.937,33.478 ; Jmp2D.3@48.025,33.859 46.399,32.234 41.9,32.234 41.46,32.673 29.96,32.673 29.156,33.478 R15D.2@28.937,33.478
NetC1E_1: C1E.1 R12E.2 R13E.1 | length 3.2
  Top Layer w0.178: R12E.2@24.132,43.384 25.619,43.384 R13E.1@25.737,43.502 25.864,43.375 C1E.1@25.864,41.978
NetC1E_2: C1E.2 IC1E.14 Jmp2E.3 R15E.2 | length 24
  Top Layer w0.254: C1E.2@27.464,41.978 R15E.2@28.912,41.978 ; IC1E.14@29.839,43.553 29.292,43.553 28.912,43.173 R15E.2@28.912,41.978 ; Jmp2E.3@48,42.359 46.374,40.734 41.9,40.734 41.46,41.173 29.935,41.173 29.131,41.978 R15E.2@28.912,41.978
NetC1F_1: C1F.1 R12F.2 R13F.1 | length 3.2
  Top Layer w0.178: R12F.2@24.157,51.884 25.644,51.884 R13F.1@25.762,52.002 25.889,51.875 C1F.1@25.889,50.478
NetC1F_2: C1F.2 IC1F.14 Jmp2F.3 R15F.2 | length 24
  Top Layer w0.254: C1F.2@27.489,50.478 R15F.2@28.937,50.478 ; IC1F.14@29.864,52.053 29.317,52.053 28.937,51.673 R15F.2@28.937,50.478 ; Jmp2F.3@48.025,50.859 46.399,49.234 41.875,49.234 41.435,49.673 29.96,49.673 29.156,50.478 R15F.2@28.937,50.478
NetC1G_1: C1G.1 R12G.2 R13G.1 | length 3.2
  Top Layer w0.178: R12G.2@24.132,60.384 25.619,60.384 R13G.1@25.737,60.502 25.864,60.375 C1G.1@25.864,58.978
NetC1G_2: C1G.2 IC1G.14 Jmp2G.3 R15G.2 | length 24
  Top Layer w0.254: C1G.2@27.464,58.978 R15G.2@28.912,58.978 ; IC1G.14@29.839,60.553 29.292,60.553 28.912,60.173 R15G.2@28.912,58.978 ; Jmp2G.3@48,59.359 46.374,57.734 41.9,57.734 41.46,58.173 29.935,58.173 29.131,58.978 R15G.2@28.912,58.978
NetC1H_1: C1H.1 R12H.2 R13H.1 | length 3.2
  Top Layer w0.178: R12H.2@24.132,68.884 25.619,68.884 R13H.1@25.737,69.002 25.864,68.875 C1H.1@25.864,67.478
NetC1H_2: C1H.2 IC1H.14 Jmp2H.3 R15H.2 | length 24
  Top Layer w0.254: C1H.2@27.464,67.478 R15H.2@28.912,67.478 ; IC1H.14@29.839,69.053 29.292,69.053 28.912,68.673 R15H.2@28.912,67.478 ; Jmp2H.3@48,67.859 46.374,66.234 41.875,66.234 41.435,66.673 29.935,66.673 29.131,67.478 R15H.2@28.912,67.478
NetC1I_1: C1I.1 R12I.2 R13I.1 | length 3.2
  Top Layer w0.178: R12I.2@24.132,77.384 25.619,77.384 R13I.1@25.737,77.502 25.864,77.375 C1I.1@25.864,75.978
NetC1I_2: C1I.2 IC1I.14 Jmp2I.3 R15I.2 | length 24
  Top Layer w0.254: C1I.2@27.464,75.978 R15I.2@28.912,75.978 ; IC1I.14@29.839,77.553 29.292,77.553 28.912,77.173 R15I.2@28.912,75.978 ; Jmp2I.3@48,76.359 46.374,74.734 41.875,74.734 41.435,75.173 29.935,75.173 29.131,75.978 R15I.2@28.912,75.978
NetC1J_1: C1J.1 R12J.2 R13J.1 | length 3.2
  Top Layer w0.178: R12J.2@24.132,85.884 25.619,85.884 R13J.1@25.737,86.002 25.864,85.875 C1J.1@25.864,84.478
NetC1J_2: C1J.2 IC1J.14 Jmp2J.3 R15J.2 | length 24
  Top Layer w0.254: C1J.2@27.464,84.478 R15J.2@28.912,84.478 ; IC1J.14@29.839,86.053 29.292,86.053 28.912,85.673 R15J.2@28.912,84.478 ; Jmp2J.3@48,84.859 46.374,83.234 41.875,83.234 41.435,83.673 29.935,83.673 29.131,84.478 R15J.2@28.912,84.478
NetC1K_1: C1K.1 R12K.2 R13K.1 | length 3.2
  Top Layer w0.178: R12K.2@24.132,94.384 25.619,94.384 R13K.1@25.737,94.502 25.864,94.375 C1K.1@25.864,92.978
NetC1K_2: C1K.2 IC1K.14 Jmp2K.3 R15K.2 | length 24
  Top Layer w0.254: C1K.2@27.464,92.978 R15K.2@28.912,92.978 ; IC1K.14@29.839,94.553 29.292,94.553 28.912,94.173 R15K.2@28.912,92.978 ; Jmp2K.3@48,93.359 46.374,91.734 41.875,91.734 41.435,92.173 29.935,92.173 29.131,92.978 R15K.2@28.912,92.978
NetC1L_1: C1L.1 R12L.2 R13L.1 | length 3.2
  Top Layer w0.178: R12L.2@24.132,102.884 25.619,102.884 R13L.1@25.737,103.002 25.864,102.875 C1L.1@25.864,101.478
NetC1L_2: C1L.2 IC1L.14 Jmp2L.3 R15L.2 | length 24
  Top Layer w0.254: C1L.2@27.464,101.478 R15L.2@28.912,101.478 ; IC1L.14@29.839,103.053 29.292,103.053 28.912,102.673 R15L.2@28.912,101.478 ; Jmp2L.3@48,101.859 46.374,100.234 41.875,100.234 41.435,100.673 29.935,100.673 29.131,101.478 R15L.2@28.912,101.478
NetC1M_1: C1M.1 R12M.2 R13M.1 | length 3.2
  Top Layer w0.178: R12M.2@24.132,111.384 25.619,111.384 R13M.1@25.737,111.502 25.864,111.375 C1M.1@25.864,109.978
NetC1M_2: C1M.2 IC1M.14 Jmp2M.3 R15M.2 | length 24
  Top Layer w0.254: C1M.2@27.464,109.978 R15M.2@28.912,109.978 ; IC1M.14@29.839,111.553 29.292,111.553 28.912,111.173 R15M.2@28.912,109.978 ; Jmp2M.3@48,110.359 46.374,108.734 41.875,108.734 41.435,109.173 29.935,109.173 29.131,109.978 R15M.2@28.912,109.978
NetC1N_1: C1N.1 R12N.2 R13N.1 | length 3.2
  Top Layer w0.178: R12N.2@24.132,119.884 25.619,119.884 R13N.1@25.737,120.002 25.864,119.875 C1N.1@25.864,118.478
NetC1N_2: C1N.2 IC1N.14 Jmp2N.3 R15N.2 | length 24
  Top Layer w0.254: C1N.2@27.464,118.478 R15N.2@28.912,118.478 ; IC1N.14@29.839,120.053 29.292,120.053 28.912,119.673 R15N.2@28.912,118.478 ; Jmp2N.3@48,118.859 46.374,117.234 41.875,117.234 41.435,117.673 29.935,117.673 29.131,118.478 R15N.2@28.912,118.478
NetC1O_1: C1O.1 R12O.2 R13O.1 | length 3.2
  Top Layer w0.178: R12O.2@24.132,128.384 25.619,128.384 R13O.1@25.737,128.502 25.864,128.375 C1O.1@25.864,126.978
NetC1O_2: C1O.2 IC1O.14 Jmp2O.3 R15O.2 | length 24
  Top Layer w0.254: C1O.2@27.464,126.978 R15O.2@28.912,126.978 ; IC1O.14@29.839,128.553 29.292,128.553 28.912,128.173 R15O.2@28.912,126.978 ; Jmp2O.3@48,127.359 46.374,125.734 41.875,125.734 41.435,126.173 29.935,126.173 29.131,126.978 R15O.2@28.912,126.978
NetC1P_1: C1P.1 R12P.2 R13P.1 | length 3.2
  Top Layer w0.178: R12P.2@24.132,136.884 25.619,136.884 R13P.1@25.737,137.002 25.864,136.875 C1P.1@25.864,135.478
NetC1P_2: C1P.2 IC1P.14 Jmp2P.3 R15P.2 | length 24
  Top Layer w0.254: C1P.2@27.464,135.478 R15P.2@28.912,135.478 ; IC1P.14@29.839,137.053 29.292,137.053 28.912,136.673 R15P.2@28.912,135.478 ; Jmp2P.3@48,135.859 46.374,134.234 41.875,134.234 41.435,134.673 29.935,134.673 29.131,135.478 R15P.2@28.912,135.478